# KiCad board poly_kb_wave_right.kicad_pcb (continued)
## Routing (per net, layer and track width the routed paths; a pad name or vN(x,y) marks a point on that pad's centre or on a via; arc(x,y) is an arc through that point) (continued)
  Bottom w0.3: C5_14.1 169.01,96.28 168.1,96.28 167.55,96.83 165.67,96.83 165.67,96.83 J14.2
/K_L7/CS: length 18.6
  In1.Cu w0.3: v3(152.9,95.1) 153.42,95.62 v3(157.58,95.62)
  Bottom w0.254: 152.73,95.1 v3(152.9,95.1) 151.47,93.67 151.47,90.57 U5.6
  Bottom w0.3: J14.8 162.67,95.38 162.41,95.12 162.41,94.35 161.9,93.85 159.36,93.85 v3(157.58,95.62) R1_14.2
/K_L7/LED_DOUT: length 21.6
  Top w0.3: LED14.2 153.53,96.49 151.75,98.27 LED13.4
/K_L7/VCOMH: length 4.7
  Bottom w0.3: J14.13 160.17,96.83 159.07,97.93 158.16,97.93 157.27,98.83 C4_14.1
/K_L8/C1N: length 7
  Bottom w0.3: C6_21.2 168.83,78.69 164.98,78.69 164.17,77.87 J21.5
/K_L8/C1P: length 5.1
  Bottom w0.3: C6_21.1 168.32,78.23 165.17,78.23 164.67,77.74 J21.4
/K_L8/C2N: length 4.3
  Bottom w0.3: J21.3 165.17,76.43 165.21,76.38 166.67,76.38 166.73,76.32 168.46,76.32 C5_21.2
/K_L8/C2P: length 5.2
  Bottom w0.3: C5_21.1 169.01,77.23 168.1,77.23 167.55,77.78 165.67,77.78 165.67,77.78 J21.2
/K_L8/CS: length 34.8
  In2.Cu w0.3: v3(152.57,65.39) 153.58,66.41 164.3,66.41 166.2,68.3 166.2,71.2 v3(162.26,75.15)
  Bottom w0.254: U6.6 151.41,66.55 v3(152.57,65.39)
  Bottom w0.3: J21.8 162.67,76.33 162.41,76.07 162.41,75.3 161.9,74.8 159.36,74.8 157.58,76.57 R1_21.2
/K_L8/VCOMH: length 5.8
  Bottom w0.3: C4_21.1 157.27,79.78 158.16,78.88 159.07,78.88 160.17,77.78 J21.13
/K_L9/C1N: length 7
  Bottom w0.3: C6_28.2 168.83,59.64 164.98,59.64 164.17,58.82 J28.5
/K_L9/C1P: length 5.1
  Bottom w0.3: C6_28.1 168.32,59.18 165.17,59.18 164.67,58.69 J28.4
/K_L9/C2N: length 4.3
  Bottom w0.3: C5_28.2 168.46,57.27 166.73,57.27 166.67,57.33 165.21,57.33 165.17,57.38 J28.3
/K_L9/C2P: length 5.2
  Bottom w0.3: J28.2 165.67,58.73 165.67,58.73 167.55,58.73 168.1,58.18 169.01,58.18 C5_28.1
/K_L9/CS: length 20.1
  In1.Cu w0.3: v3(153,57.41) 153.12,57.52 v3(157.58,57.52)
  Bottom w0.254: U7.6 151.38,53 151.46,53.08 151.46,53.57 151.38,53.65 151.38,55.78 v3(153,57.41)
  Bottom w0.3: R1_28.2 v3(157.58,57.52) 159.36,55.75 161.9,55.75 162.41,56.25 162.41,57.02 162.67,57.28 J28.8
/K_L9/VCOMH: length 4.7
  Bottom w0.3: J28.13 160.17,58.73 159.07,59.83 158.16,59.83 157.27,60.73 C4_28.1
/K_Q/C1N: length 7
  Bottom w0.3: J9.5 64.15,96.92 64.97,97.74 68.81,97.74 C6_9.2
/K_Q/C1P: length 5.1
  Bottom w0.3: J9.4 64.65,96.79 65.15,97.28 68.31,97.28 C6_9.1
/K_Q/C2N: length 4.3
  Bottom w0.3: J9.3 65.15,95.48 65.2,95.43 66.66,95.43 66.71,95.37 68.44,95.37 C5_9.2
/K_Q/C2P: length 5.2
  Bottom w0.3: J9.2 65.65,96.83 65.66,96.83 67.54,96.83 68.09,96.28 69,96.28 C5_9.1
/K_Q/CS: length 112.6
  In2.Cu w0.3: v3(62.3,94.1) 65.9,90.5 65.9,87.5 68.9,84.5 105.4,84.5 107.3,82.6 129,82.6 131.33,80.28 141.32,80.28 142.48,81.44 145.1,81.44 146.93,83.27 146.93,85.61 148.35,87.03 148.35,92.04
  Bottom w0.254: v3(148.35,91.93) 148.21,91.79 U5.1
  Bottom w0.3: J9.8 62.65,95.38 62.4,95.12 62.4,94.35 61.89,93.85 59.35,93.85 57.57,95.62 R1_9.2
/K_Q/LED_DIN: length 16.4
  Top w0.3: 80.49,98.87 72.57,98.87 71.97,98.27 LED9.4
/K_Q/VCOMH: length 4.7
  Bottom w0.3: J9.13 60.15,96.83 59.06,97.93 58.15,97.93 57.25,98.83 C4_9.1
/K_R/C1N: length 7
  Bottom w0.3: C6_12.2 125.96,100.12 122.12,100.12 121.3,99.31 121.3,98.51
/K_R/C1P: length 5.1
  Bottom w0.3: C6_12.1 125.46,99.67 122.3,99.67 121.8,99.17 121.8,98.51
/K_R/C2N: length 4.3
  Bottom w0.3: C5_12.2 125.59,97.75 123.86,97.75 123.81,97.81 122.35,97.81 122.3,97.86 122.3,98.51
/K_R/C2P: length 5.2
  Bottom w0.3: 122.8,98.51 122.8,99.21 122.81,99.21 124.69,99.21 125.24,98.66 126.15,98.66 C5_12.1
/K_R/CS: length 47.9
  In2.Cu w0.3: v3(147.74,87.82) 146.24,87.82 144.11,85.69 127.62,85.69 123,90.3 123,92.8 119.46,96.35 v3(119.46,96.65)
  Bottom w0.254: U5.4 150.16,89.93 149.55,89.32 148.95,89.32 147.74,88.11 v3(147.74,87.82)
  Bottom w0.3: R1_12.2 114.72,98 116.5,96.23 119.04,96.23 119.55,96.73 119.55,97.5 119.8,97.76 119.8,98.51
/K_R/LED_DIN: length 18
  Top w0.3: LED12.4 129.11,100.65 131.43,98.33 135.88,98.33 137.64,96.57 LED13.2 137.64,96.58
/K_R/VCOMH: length 4.7
  Bottom w0.3: 117.3,98.51 117.3,99.21 116.21,100.31 115.3,100.31 114.4,101.21 C4_12.1
/K_S/C1N: length 7
  Bottom w0.3: C6_17.2 87.86,81.07 84.02,81.07 83.2,80.26 J17.5
/K_S/C1P: length 5.1
  Bottom w0.3: C6_17.1 87.36,80.62 84.2,80.62 83.7,80.12 J17.4
/K_S/C2N: length 4.3
  Bottom w0.3: C5_17.2 87.49,78.7 85.76,78.7 85.71,78.76 84.25,78.76 84.2,78.81 J17.3
/K_S/C2P: length 5.2
  Bottom w0.3: J17.2 84.7,80.16 84.71,80.16 86.59,80.16 87.14,79.61 88.05,79.61 C5_17.1
/K_S/CS: length 82.8
  Top w0.3: v3(146.86,65.42) 146.28,66 127.65,66 125.45,68.2 110.23,68.2 107.93,70.5 v3(106.3,70.5)
  In2.Cu w0.3: v3(81.34,77.57) 81.34,76.77 84.1,74 87.1,74 90.6,70.5 v3(106.3,70.5)
  Bottom w0.254: v3(146.86,65.42) 146.88,65.42 148.81,67.35 U6.2
  Bottom w0.3: R1_17.2 76.62,78.95 78.4,77.18 80.94,77.18 81.45,77.68 81.45,78.45 81.7,78.71 J17.8
/K_S/VCOMH: length 4.7
  Bottom w0.3: J17.13 79.2,80.16 78.11,81.26 77.2,81.26 76.3,82.16 C4_17.1
/K_T/C1N: length 7
  Bottom w0.3: C6_13.2 145.01,97.74 141.17,97.74 140.35,96.92 J13.5
/K_T/C1P: length 5.1
  Bottom w0.3: C6_13.1 144.51,97.28 141.35,97.28 140.85,96.79 J13.4
/K_T/C2N: length 4.3
  Bottom w0.3: C5_13.2 144.64,95.37 142.91,95.37 142.86,95.43 141.4,95.43 141.35,95.48 J13.3
/K_T/C2P: length 5.2
  Bottom w0.3: C5_13.1 145.2,96.28 144.29,96.28 143.74,96.83 141.86,96.83 141.85,96.83 J13.2
/K_T/CS: length 24.9
  In1.Cu w0.3: v3(149.11,88.63) 146.82,90.92 141.19,90.92 138.6,93.51 v3(138.6,94.51)
  Bottom w0.254: v3(149.11,88.63) 149.97,88.63 150.81,89.47 U5.5
  Bottom w0.3: R1_13.2 133.99,95.62 135.6,94 138.09,94 v3(138.6,94.51) 138.6,95.12 138.85,95.38 J13.8
/K_T/VCOMH: length 5
  Bottom w0.3: J13.13 136.35,96.83 135.26,97.93 133.88,97.93 133.45,98.35 C4_13.1
/K_V/C1N: length 7
  Bottom w0.3: J26.5 121.3,61.21 122.12,62.02 125.96,62.02 C6_26.2
/K_V/C1P: length 5.1
  Bottom w0.3: J26.4 121.8,61.07 122.3,61.57 125.46,61.57 C6_26.1
/K_V/C2N: length 4.3
  Bottom w0.3: J26.3 122.3,59.76 122.35,59.71 123.81,59.71 123.86,59.65 125.59,59.65 C5_26.2
/K_V/C2P: length 5.2
  Bottom w0.3: C5_26.1 126.15,60.56 125.24,60.56 124.69,61.11 122.81,61.11 122.8,61.11 J26.2
/K_V/CS: length 46.3
  In2.Cu w0.3: v3(119.41,58.5) 119.41,56.9 128.7,47.6 146.77,47.6 v3(147.2,48.04)
  Bottom w0.254: v3(147.2,48.04) 147.68,48.04 150.08,50.43 U7.4
  Bottom w0.3: R1_26.2 114.72,59.9 116.5,58.13 119.04,58.13 119.55,58.63 119.55,59.4 119.8,59.66 J26.8
/K_V/VCOMH: length 4.7
  Bottom w0.3: J26.13 117.3,61.11 116.21,62.21 115.3,62.21 114.4,63.11 C4_26.1
/K_W/C1N: length 7
  Bottom w0.3: C6_10.2 87.86,100.12 84.02,100.12 83.2,99.31 83.2,98.51
/K_W/C1P: length 5.1
  Bottom w0.3: C6_10.1 87.36,99.67 84.2,99.67 83.7,99.17 83.7,98.51
/K_W/C2N: length 4.5
  Bottom w0.3: 84.2,98.51 84.2,97.81 84.27,97.75 85.86,97.75 85.99,97.61 87.36,97.61 C5_10.2
/K_W/C2P: length 5.2
  Bottom w0.3: C5_10.1 88.05,98.66 87.14,98.66 86.59,99.21 84.71,99.21 84.7,99.21 84.7,98.51
/K_W/CS: length 90.1
  In2.Cu w0.3: v3(146.22,84.57) 146.22,83.7 144.51,82 131.81,82 130.7,83.1 109.9,83.1 107.6,85.41 89,85.41 84.7,89.7 84.7,92.91 81.36,96.25 v3(81.36,96.65)
  Bottom w0.254: U5.2 148.86,89.8 146.93,87.87 146.93,85.28 v3(146.22,84.57)
  Bottom w0.3: R1_10.2 76.62,98 78.4,96.23 80.94,96.23 v3(81.36,96.65) 81.45,96.73 81.45,97.5 81.7,97.76 81.7,98.51
/K_W/VCOMH: length 4.7
  Bottom w0.3: C4_10.1 76.3,101.21 77.2,100.31 78.11,100.31 79.2,99.21 79.2,98.51
/K_X/C1N: length 7
  Bottom w0.3: C6_24.2 87.86,62.02 84.02,62.02 83.2,61.21 J24.5
/K_X/C1P: length 5.1
  Bottom w0.3: J24.4 83.7,61.07 84.2,61.57 87.36,61.57 C6_24.1
/K_X/C2N: length 4.3
  Bottom w0.3: J24.3 84.2,59.76 84.25,59.71 85.71,59.71 85.76,59.65 87.49,59.65 C5_24.2
/K_X/C2P: length 5.2
  Bottom w0.3: C5_24.1 88.05,60.56 87.14,60.56 86.59,61.11 84.71,61.11 84.7,61.11 J24.2
/K_X/CS: length 88.1
  In2.Cu w0.3: v3(145.99,45.63) 144.16,43.8 133.12,43.8 130.91,46.02 109.29,46.02 106.68,48.63 89.02,48.63 84.9,52.74 84.9,54.91 v3(81.31,58.5)
  Bottom w0.254: v3(145.99,45.63) 145.99,48.22 147.18,49.41 147.76,49.41 148.78,50.43 U7.2
  Bottom w0.3: R1_24.2 76.62,59.9 78.4,58.13 80.94,58.13 81.45,58.63 81.45,59.4 81.7,59.66 J24.8
/K_X/LED_DOUT: length 16.4
  Top w0.3: LED23.4 71.97,60.17 72.57,60.77 80.49,60.77
/K_X/VCOMH: length 4.7
  Bottom w0.3: J24.13 79.2,61.11 78.11,62.21 77.2,62.21 76.3,63.11 C4_24.1
/K_Z/C1N: length 7
  Bottom w0.3: C6_23.2 68.81,59.64 64.97,59.64 64.15,58.82 J23.5
/K_Z/C1P: length 5.1
  Bottom w0.3: C6_23.1 68.31,59.18 65.15,59.18 64.65,58.69 J23.4
/K_Z/C2N: length 4.3
  Bottom w0.3: J23.3 65.15,57.38 65.2,57.33 66.66,57.33 66.71,57.27 68.44,57.27 C5_23.2
/K_Z/C2P: length 5.2
  Bottom w0.3: C5_23.1 69,58.18 68.09,58.18 67.54,58.73 65.66,58.73 65.65,58.73 J23.2
/K_Z/CS: length 109.8
  In2.Cu w0.254: 146.57,42.33 148.1,43.85 148.1,49.87 v3(147.08,50.89)
  In2.Cu w0.3: 146.57,42.33 133.31,42.33 130.84,44.8 107.8,44.8 105.9,46.7 90.3,46.7 87.4,49.6 70.8,49.6 68,52.41 65,52.41 62.28,55.13 v3(62.28,56.13)
  Bottom w0.254: v3(147.08,50.89) 147.25,51.06 U7.1
  Bottom w0.3: R1_23.2 57.57,57.52 59.35,55.75 61.89,55.75 v3(62.28,56.13) 62.4,56.25 62.4,57.02 62.65,57.28 J23.8
/K_Z/VCOMH: length 4.7
  Bottom w0.3: C4_23.1 57.25,60.73 58.15,59.83 59.06,59.83 60.15,58.73 J23.13
/RpPico/GPIO6: length 15.5
  Top w0.203: R1.1 30.05,108.5 v2(29.78,108.23)
  Bottom w0.203: U10.8 20.81,104.08 21.49,103.41 26.45,103.41 29.78,106.73 v2(29.78,108.23) 29.78,109.83
/RpPico/GPIO7: length 17
  Top w0.203: v2(32,108.25) 31.65,108.6 R2.1
  Bottom w0.203: 32,109.81 v2(32,108.25) 26.7,102.95 21.4,102.95 20.68,103.68 U10.9
/RpPico/GPIO24: length 8
  Bottom w0.229: U10.36 12.33,104.48 11.37,105.44 11.37,106.34 11.7,106.67 11.7,107.99 R8.2
  Bottom w0.3: R15.1 12.8,109.09 R8.2
/RpPico/QSPI_SCLK: length 13
  Bottom w0.229: U10.52 17.75,110.02 22.43,114.7 22.43,116.38 22.68,116.62 23.32,116.62 24.27,115.67 U9.6
/RpPico/QSPI_SD0: length 9.8
  Bottom w0.229: U10.53 18.15,109.85 23,114.7 U9.5
/RpPico/QSPI_SD1: length 12.9
  Bottom w0.229: U10.55 18.95,109.41 20.6,111.06 21.3,111.06 22.43,109.93 22.43,107.53 22.68,107.29 25.39,107.29 25.54,107.44 U9.2
/RpPico/QSPI_SD2: length 12.4
  Bottom w0.229: U10.54 18.55,109.7 21.4,112.56 23.05,112.56 24.27,111.34 U9.3
/RpPico/QSPI_SD3: length 15.7
  Bottom w0.229: U10.51 17.35,110.16 22.05,114.85 22.05,116.54 22.72,117.2 24.8,117.2 25.54,116.47 U9.7
/RpPico/QSPI_SS: length 14.9
  Top w0.229: 26.8,109.03 26.8,109.35 ; 26.8,109.03 R20.2 26.94,109.59 v3(27.42,110.07) ; 26.8,109.03 R21.1
  Bottom w0.229: v3(27.42,110.07) 27.42,109.97 26.81,109.36 U9.1 26.81,107.61 26.11,106.91 22.52,106.91 22.05,107.37 22.05,108.06 21.05,109.05 20.35,109.05 19.35,108.06 U10.56
/RpPico/RUN: length 83.1
  In1.Cu w0.203: v3(25.58,109.85) 25.53,109.85 20.53,104.85 20.5,104.85 20.5,104.5 18.25,102.25 15.66,102.25 v2(15,101.59) ; v3(27.8,120.41) 39.1,120.41 41.8,123.1 47.3,123.1 49.2,125 66.3,125 68.2,126.91 v3(75.5,126.91)
  Bottom w0.203: v2(15,101.59) 14.95,101.54 U10.26 ; v3(25.58,109.85) 25.58,114 26.23,114.66 26.23,118.83 v3(27.8,120.41)
  Bottom w0.254: SW3.2 73.13,126.91 75.88,126.91 SW3.2
/RpPico/SWCLK: length 33.1
  In2.Cu w0.203: v2(15.75,99.85) 15.75,100.45 16.1,100.81 19.35,100.81 20.45,101.91 20.45,106.6 22.85,109 22.85,114.5 29.76,121.41 J40.3
  Bottom w0.203: U10.24 v2(15.75,99.85)
/RpPico/SWD: length 31.8
  In2.Cu w0.203: J40.1 24.68,117.58 19.95,112.85 19.95,102.25 18.86,101.16 15.96,101.16 15.18,100.38 v2(15.18,99.53)
  Bottom w0.203: v2(15.18,99.53) 15.18,100.2 15.35,100.38 U10.25
/RpPico/USB_D+: length 11.4
  Bottom w0.2: R22.1 15.73,112.33 15.73,113.73 ; 15.73,113.73 TP14.1 ; 15.73,113.73 15.73,117.25 15.75,117.28 USB1.6 15.75,117.7 15.81,117.65 16.54,117.65 16.75,117.85 USB1.8
/RpPico/USB_D-: length 11.5
  Bottom w0.2: 15.28,113.73 TP1.1 ; 15.28,113.73 15.28,117.25 15.25,117.28 USB1.5 15.25,119.55 15.34,119.63 16.15,119.63 16.25,119.53 USB1.7 ; 15.28,113.73 15.28,112.33 R23.1
/RpPico/XIN: length 7.1
  Bottom w0.203: Y1.1 17.35,96.5 U10.20
  Bottom w0.5: C3.2 18.1,96.69 Y1.1
/RpPico/XOUT: length 5.2
  Bottom w0.203: 16.33,95.91 16.95,96.53 U10.21
/RpPico/~{USB_BOOT}: length 75.5
  Top w0.254: R21.2 28.59,109.13 28.59,112.28 28.01,112.86 28,112.86 v3(27.3,113.56)
  In1.Cu w0.254: v3(27.3,113.56) 27.3,118.92 28.19,119.81 39.6,119.81 40.7,120.91 51.7,120.91 54.5,123.7 77.6,123.7 v3(81.15,127.25)
  Bottom w0.254: SW2.1 79.79,127.25 84.82,127.25 SW2.1
/SCLK1: length 189.2
  In1.Cu w0.3: v3(23.1,22.34) 22.66,23.54 19.5,23.54 13.34,29.69 10.21,38.29 11.43,40.9 14.77,42.11 15.07,42.76 v3(14.99,43) 14.55,44.19 12.8,45.94 12.8,47.3 14.26,48.76 35.28,48.76 38.74,49.59 39.12,50.2 v3(39.06,50.45) 38.76,51.68 35.72,54.72 35.72,73.02 37.76,75.05 41.31,75.05 41.82,75.56 41.82,77.08 35.72,83.18 35.72,92.07 37.76,94.1 41.31,94.1 41.82,94.61 41.82,96.13 40.3,97.66 40.29,97.66 37.6,100.35 37.6,105.36 35.72,107.24 35.72,111.12 37.76,113.15 41.31,113.15 41.82,113.66
  In2.Cu w0.254: J38.2 32.23,8.93 34.6,11.31 34.6,14.81 33,16.41 31.6,16.41 27.9,20.1 25.34,20.1 v3(23.1,22.34)
  Bottom w0.3: J29.11 15.12,43.45 14.95,43.09 v3(14.99,43) ; v3(41.82,94.86) 41.82,94.96 42.1,95.24 J8.11 ; J30.11 23.23,22.8 23.06,22.44 v3(23.1,22.34) ; v3(39.06,50.45) 39.04,50.54 39.24,50.88 J22.11 ; J15.11 42.1,76.19 41.82,75.91 v3(41.82,75.81) ; JP37.2 46.9,121.7 42.1,116.91 J1.11 42.1,114.29 41.82,114.01 v3(41.82,113.91)
/SCLK2: length 134.6
  In1.Cu w0.3: 54.77,53.97 56.81,56 60.36,56 60.87,56.51 60.87,58.03 54.77,64.13 54.77,73.02 56.81,75.05 60.36,75.05 60.87,75.56 60.87,77.08 54.77,83.18 54.77,92.07 56.81,94.1 60.36,94.1 60.87,94.61 60.87,96.13 59.35,97.65 59.34,97.65 54.77,102.22 54.77,111.12 56.81,113.15 60.36,113.15 60.87,113.66 60.87,113.91 ; 55.03,111.37 54.78,111.12 ; 55.03,73.27 54.78,73.02 ; 55.03,54.22 54.78,53.97 54.78,39.33 52.15,36.7 47.6,36.7 44.3,33.41 44.3,30.3 44.73,29.88 v3(44.73,28.73) ; 55.03,92.32 54.78,92.07
  Bottom w0.254: JP35.2 65.2,120.39 61.15,116.34 J2.11
  Bottom w0.3: J2.11 61.15,114.29 60.87,114.01 v3(60.87,113.91) ; J31.11 44.92,29.17 44.71,28.83 v3(44.73,28.73) ; J16.11 61.15,76.19 60.87,75.91 v3(60.87,75.81) ; J9.11 61.15,95.24 60.87,94.96 v3(60.87,94.86) ; v3(60.87,56.76) 60.87,56.86 61.15,57.14 J23.11
/SCLK3: length 140.8
  In1.Cu w0.3: v3(68.11,32.67) 68,33.94 68,36.9 73.82,42.73 73.82,56.35 75.86,58.38 79.41,58.38 79.92,58.89 79.92,60.41 73.82,66.51 73.82,75.4 75.86,77.43 79.41,77.43 79.92,77.94 79.92,79.46 73.82,85.56 73.82,94.45 75.86,96.48 79.41,96.48 79.92,96.99 79.92,98.51 78.4,100.04 78.39,100.04 73.82,104.6 73.82,113.5 75.86,115.53 79.41,115.53 79.92,116.04
  In2.Cu w0.3: v3(65.2,125.81) 65.7,126.3 v3(73.4,126.3)
  Bottom w0.254: 65.2,124.65 v3(65.2,125.81)
  Bottom w0.3: J17.11 80.2,78.57 79.92,78.29 v3(79.92,78.19) ; v3(68.11,32.67) 68.1,32.77 68.35,33.07 J32.11 ; v3(79.92,116.29) 79.92,116.39 80.2,116.67 J3.11 80.2,119.5 75.6,124.1 74,124.1 73.4,124.7 v3(73.4,126.3) ; v3(79.92,97.24) 79.92,97.34 80.2,97.62 80.2,98.51 ; v3(79.92,59.14) 79.92,59.24 80.2,59.52 J24.11
/SCLK4: length 119.9
  In1.Cu w0.3: 98.97,118.68 98.97,118.41 98.42,117.87 94.85,117.87 92.87,115.88 92.87,106.98 97.43,102.42 97.44,102.42 98.97,100.9 98.97,99.37 98.46,98.86 94.9,98.86 92.87,96.83 92.87,87.94 98.97,81.85 98.97,80.32 98.46,79.81 94.9,79.81 92.87,77.78 92.87,68.89 98.97,62.8 98.97,61.27 98.46,60.76 94.9,60.76 92.87,58.73 92.87,49.85 98.97,43.74 v3(98.97,42.47)
  Bottom w0.3: v3(99.1,118.7) 99.25,118.85 J4.11 99.25,121.66 100.5,122.91 102.6,122.91 104.2,124.5 JP41.2 ; v3(98.97,99.62) 98.97,99.72 99.25,100 J11.11 ; J25.11 99.25,61.9 98.97,61.62 v3(98.97,61.52) ; v3(98.97,80.57) 98.97,80.67 99.25,80.95 J18.11 ; v3(98.97,42.47) 98.97,42.57 99.25,42.85 J33.11
/SCLK5: length 120.8
  In1.Cu w0.3: 118.02,116.29 118.02,116.04 117.51,115.53 113.95,115.53 111.92,113.5 111.92,104.6 116.49,100.04 116.49,100.04 118.02,98.51 118.02,96.99 117.51,96.48 113.95,96.48 111.92,94.45 111.92,85.56 118.02,79.46 118.02,77.94 117.51,77.43 113.95,77.43 111.92,75.4 111.92,66.51 118.02,60.41 118.02,58.89 117.51,58.38 113.95,58.38 111.92,56.35 111.92,47.46 118.02,41.36 v3(118.02,40.09)
  Bottom w0.3: J19.11 118.3,78.57 118.02,78.29 v3(118.02,78.19) ; v3(118.02,116.29) 118.02,116.39 118.3,116.67 J5.11 118.3,119.6 120.4,121.7 121.95,121.7 123,122.75 JP43.2 ; J26.11 118.3,59.52 118.02,59.24 v3(118.02,59.14) ; 118.3,41.36 118.3,40.47 118.02,40.19 v3(118.02,40.09) ; 118.3,98.51 118.3,97.62 118.02,97.34 v3(118.02,97.24)
/SCLK6: length 120.6
  In1.Cu w0.3: v3(137.07,37.71) 137.07,38.82 130.97,44.92 130.97,53.97 133.01,56 136.56,56 137.07,56.51 137.07,58.03 130.97,64.13 130.97,73.02 133.01,75.05 136.56,75.05 137.07,75.56 137.07,77.08 130.97,83.18 130.97,92.07 133.01,94.1 136.56,94.1 137.07,94.61 137.07,96.13 135.55,97.65 135.54,97.65 130.97,102.22 130.97,111.12 133.01,113.15 136.56,113.15 137.07,113.66 137.07,113.91
  Bottom w0.3: v3(137.07,94.86) 137.07,94.96 137.35,95.24 J13.11 ; v3(137.07,75.81) 137.07,75.91 137.35,76.19 J20.11 ; J27.11 137.35,57.14 137.07,56.86 v3(137.07,56.76) ; JP45.2 141.9,119.91 141.4,119.41 139.6,119.41 137.35,117.16 J6.11 137.35,114.29 137.07,114.01 v3(137.07,113.91) ; v3(137.07,37.71) 137.07,37.81 137.35,38.09 J35.11
/SCLK7: length 118.4
  In1.Cu w0.3: v3(160.84,113.86) 160.84,113.61 160.38,113.15 156.82,113.15 154.79,111.12 154.79,102.22 159.35,97.66 159.36,97.66 160.88,96.13 v3(160.88,94.86) 160.88,94.61 160.38,94.1 156.82,94.1 154.79,92.07 154.79,83.18 160.88,77.08 v3(160.88,75.81) 160.88,75.56 160.38,75.05 156.82,75.05 154.79,73.02 154.79,64.13 160.88,58.03 v3(160.88,56.76) 160.88,56.51 160.38,56 156.82,56 154.79,53.97 154.79,40.32 156.12,38.98 v3(156.12,37.71)
  Bottom w0.3: v3(160.88,56.76) 160.88,56.86 161.17,57.14 J28.11 ; JP47.2 165.8,119.31 165.5,119 163.4,119 161.17,116.77 J7.11 161.17,114.29 160.84,113.96 v3(160.84,113.86) ; v3(160.88,94.86) 160.88,94.96 161.17,95.24 J14.11 ; J36.11 156.4,38.09 156.12,37.81 v3(156.12,37.71) ; v3(160.88,75.81) 160.88,75.91 161.17,76.19 J21.11
/SDIN1: length 197.7
  In1.Cu w0.254: J38.3 34.66,14.85 33.4,16.1 30.7,16.1 28.3,13.7 21.2,13.7 18.86,16.05 18.86,22.85
  In1.Cu w0.3: 41.06,113.91 37.5,113.91 34.96,111.37 34.96,106.75 36.84,104.87 36.84,100.09 41.06,95.88 41.06,94.86 37.5,94.86 34.96,92.32 34.96,82.92 41.06,76.83 41.06,75.81 37.5,75.81 34.96,73.27 34.96,54.37 38.08,51.26 v3(38.32,50.27) 35.29,49.54 13.87,49.54 11.95,47.63 11.95,45.67 13.92,43.7 v3(14.27,42.74) 10.93,41.52 9.41,38.27 12.83,28.88 18.86,22.85 22.1,22.85 v3(22.38,22.08)
  Bottom w0.3: v3(41.06,94.86) 41.06,94.96 41.6,95.5 J8.12 ; J29.12 14.56,43.53 14.24,42.83 v3(14.27,42.74) ; v3(41.06,75.81) 41.06,75.91 41.6,76.45 J15.12 ; v3(41.06,113.91) 41.06,114.01 41.6,114.55 J1.12 41.6,116.84 40.9,117.54 JP36.2 ; v3(38.32,50.27) 38.32,50.74 38.66,51.09 38.66,51.18 J22.12 ; J30.12 22.67,22.87 22.35,22.17 v3(22.38,22.08)
/SDIN2: length 132.7
  In1.Cu w0.3: v3(43.99,28.56) 43.99,29.67 43.6,30.06 43.6,33.55 47.4,37.35 51.85,37.35 54.01,39.52 54.01,54.22 ; 54.01,54.22 56.55,56.76 60.11,56.76 60.11,57.78 54.01,63.87 54.01,73.27 56.55,75.81 60.11,75.81 60.11,76.83 54.01,82.92 54.01,92.32 56.55,94.86 60.11,94.86 60.11,95.88 54.06,101.93 54.01,101.93 54.01,111.37 56.55,113.91 60.11,113.91
  Bottom w0.254: JP34.2 59.2,119.7 60.65,118.25 J2.12
  Bottom w0.3: v3(60.11,113.91) 60.11,114.01 60.65,114.55 J2.12 ; v3(43.99,28.56) 43.99,29.03 44.34,29.38 44.34,29.43 J31.12 ; v3(60.11,94.86) 60.11,94.96 60.65,95.5 J9.12 ; v3(60.11,75.81) 60.11,75.91 60.65,76.45 J16.12 ; v3(60.11,56.76) 60.11,56.86 60.65,57.4 J23.12
/SDIN3: length 145.5
  In1.Cu w0.3: 79.16,116.29 75.6,116.29 73.06,113.75 73.06,104.31 73.11,104.31 79.16,98.26 79.16,97.24 75.6,97.24 73.06,94.7 73.06,85.31 79.16,79.21 79.16,78.19 75.6,78.19 73.06,75.65 73.06,66.26 79.16,60.16 79.16,59.14 75.6,59.14 73.06,56.6 73.06,43.11 67.26,37.31 67.26,33.62 v3(67.35,32.6)
  In2.Cu w0.3: v3(61.4,123.12) 62.59,124.31 v3(72.6,124.31)
  Bottom w0.254: 59.2,124.5 59.2,123.5 59.41,123.3 61.23,123.3 v3(61.4,123.12)
  Bottom w0.3: v3(67.35,32.6) 67.34,32.7 67.83,33.29 J32.12 ; J24.12 79.7,59.78 79.16,59.24 v3(79.16,59.14) ; v3(79.16,97.24) 79.16,97.34 79.7,97.88 79.7,98.51 ; v3(79.16,116.29) 79.16,116.39 79.7,116.93 J3.12 79.7,119.27 75.37,123.6 73.3,123.6 v3(72.6,124.31) ; J17.12 79.7,78.83 79.16,78.29 v3(79.16,78.19)
/SDIN4: length 117.6
  In1.Cu w0.3: v3(98.25,118.55) 98.2,118.5 94.48,118.5 92.11,116.14 92.11,106.69 92.15,106.69 98.2,100.64 98.2,99.63 94.65,99.63 92.11,97.09 92.11,87.69 98.2,81.59 98.2,80.58 94.65,80.58 92.11,78.04 92.11,68.64 98.2,62.54 98.2,61.53 94.65,61.53 92.11,58.99 92.11,49.59 98.21,43.49 v3(98.21,42.47)
  Bottom w0.3: v3(98.21,42.47) 98.21,42.57 98.75,43.11 J33.12 ; v3(98.21,80.57) 98.21,80.67 98.75,81.21 J18.12 ; v3(98.21,99.62) 98.21,99.72 98.75,100.26 J11.12 ; v3(98.25,118.55) 98.25,118.71 98.75,119.22 J4.12 98.76,119.95 98.76,122.75 98.2,123.31 JP40.2 ; v3(98.21,61.52) 98.21,61.62 98.75,62.16 J25.12
/SDIN5: length 118.8
  In1.Cu w0.3: 117.26,116.29 113.7,116.29 111.16,113.75 111.16,104.31 111.21,104.31 117.26,98.26 117.26,97.24 113.7,97.24 111.16,94.7 111.16,85.3 117.26,79.21 117.26,78.19 113.7,78.19 111.16,75.65 111.16,66.25 117.26,60.16 117.26,59.14 113.7,59.14 111.16,56.6 111.16,47.21 117.26,41.11 v3(117.26,40.09)
  Bottom w0.3: v3(117.26,78.19) 117.26,78.29 117.8,78.83 J19.12 ; v3(117.26,97.24) 117.26,97.34 117.8,97.88 117.8,98.51 ; v3(117.26,40.09) 117.26,40.19 117.8,40.73 117.8,41.36 ; JP42.2 117,120.31 117.8,119.5 J5.12 117.8,116.93 117.26,116.39 v3(117.26,116.29) ; J26.12 117.8,59.78 117.26,59.24 v3(117.26,59.14)
/SDIN6: length 118.6
  In1.Cu w0.3: 136.31,113.91 132.75,113.91 130.21,111.37 130.21,101.93 130.26,101.93 136.31,95.88 136.31,94.86 132.75,94.86 130.21,92.32 130.21,82.92 136.31,76.83 136.31,75.81 132.75,75.81 130.21,73.27 130.21,63.87 136.31,57.78 136.31,56.76 132.75,56.76 130.21,54.22 130.21,44.83 136.31,38.73 v3(136.31,37.71)
  Bottom w0.3: JP44.2 135.9,119.31 136.85,118.35 J6.12 136.85,114.55 136.31,114.01 v3(136.31,113.91) ; v3(136.31,37.71) 136.31,37.81 136.85,38.35 J35.12 ; v3(136.31,75.81) 136.31,75.91 136.85,76.45 J20.12 ; J13.12 136.85,95.5 136.31,94.96 v3(136.31,94.86) ; J27.12 136.85,57.4 136.31,56.86 v3(136.31,56.76)
/SDIN7: length 116.2
  In1.Cu w0.3: v3(155.36,37.71) 155.36,38.73 154.03,40.06 154.03,54.22 156.57,56.76 v3(160.12,56.76) 160.12,57.78 154.03,63.87 154.03,73.27 156.57,75.81 v3(160.12,75.81) 160.12,76.83 154.03,82.92 154.03,92.32 156.57,94.86 v3(160.12,94.86) 160.12,95.88 154.03,101.97 154.03,111.37 156.46,113.81 160.02,113.81 v3(160.07,113.86)
  Bottom w0.3: J36.12 155.9,38.35 155.36,37.81 v3(155.36,37.71) ; J28.12 160.67,57.4 160.12,56.86 v3(160.12,56.76) ; v3(160.12,94.86) 160.12,94.96 160.67,95.5 J14.12 ; v3(160.07,113.86) 160.07,113.96 160.67,114.55 J7.12 160.67,118.14 159.8,119 JP46.2 ; J21.12 160.67,76.45 160.12,75.91 v3(160.12,75.81)
/ShiftRegisters/Carry1: length 21.5
  In1.Cu w0.3: 150.18,93.03 150.18,87.74 v3(149.51,87.07) ; 150.18,93.03 150.18,101.64 v3(151.65,103.11) ; 150.18,93.03 150.18,92.82
  Bottom w0.254: v3(151.65,103.11) 151.87,103.11 152.76,102.22 U4.9 ; U5.14 v3(149.51,87.07)
/ShiftRegisters/Carry2: length 33.7
  In1.Cu w0.3: v3(148.94,63.91) 149.12,64.09 149.12,68.52 144.8,72.83 144.8,81.51 v3(150.55,87.25)
  Bottom w0.254: U6.14 149.46,63.39 v3(148.94,63.91) ; v3(150.55,87.25) 152.17,87.25 152.76,86.66 U5.9
/ShiftRegisters/Carry3: length 22
  In1.Cu w0.3: v3(151.6,63.91) v3(151.6,48.71)
  Bottom w0.254: v3(151.6,63.91) 152.26,63.91 152.71,63.47 U6.9 ; U7.14 149.43,46.53 v3(151.6,48.71)
/ShiftRegisters/Carry4: length 85.4
  In1.Cu w0.254: v3(92.29,18.91) 93.82,18.91 95.64,20.74 143.12,20.74 150.33,27.95 150.33,37.22 153.33,40.22 153.33,45.83 v3(152.67,46.49)
  Bottom w0.254: v3(92.29,18.91) 92.16,19.05 U8.14 ; U7.9 152.68,46.48 v3(152.67,46.49)
Col1: length 88
  Top w0.203: v3(31,78.78) 31,78.7 26.71,74.41 26.71,67.11 SW1.C ; v3(27.96,102.06) 27.96,96.15 29.9,94.2 29.9,87.41 31.05,86.25 v3(31.05,82.2)
  Bottom w0.203: v3(31,78.78) 31.05,78.83 v3(31.05,82.2) ; v3(27.96,102.06) 20.22,102.06 U10.13
  Bottom w0.3: D1_29.1 5.1,43.39 5.1,45.91 10.1,50.91 17.95,50.91 23.7,56.66 D12.1 23.7,64.11 SW1.C
Col2: length 126.1
  Top w0.254: v3(26,31.3) v3(29.8,35.1)
  In1.Cu w0.3: v3(34.15,76.3) 34.15,92.85 ; 34.15,92.85 v3(34.5,93.2) ; 34.15,92.85 34.15,94.7 28.75,100.1 v3(28.75,101.31)
  Bottom w0.203: U10.14 27.28,101.68 27.7,101.25 28.7,101.25 v3(28.75,101.31)
  Bottom w0.254: D1_30.1 15.46,19.24 13.6,21.1 13.6,25.7 16,28.1 22.8,28.1 v3(26,31.3) ; D1_22.1 32.35,37.65 v3(29.8,35.1)
  Bottom w0.3: D1_8.1 34.75,93.45 v3(34.5,93.2) ; D1_22.1 29.8,50.64 29.8,54.08 34.72,58.99 34.72,75.05 D1_15.1 34.75,75.71 v3(34.15,76.3) ; v3(28.75,101.31) 28.75,103.31 34.72,109.27 34.72,113.15 D1_1.1
Col3: length 154.2
  In1.Cu w0.254: v3(53.6,97.41) 53.3,97.7 v3(53.3,111.81)
  In1.Cu w0.3: v3(52.6,39.3) v3(52.6,54.2)
  In2.Cu w0.203: v3(31.95,97.81) 34.25,97.81 36.05,99.6 52.7,99.6 v3(53.3,100.2)
  Bottom w0.203: v3(31.95,97.81) 30.95,97.81 30.05,98.7 28.65,98.7 26.75,100.6 19.35,100.6 U10.15
  Bottom w0.254: v3(53.3,111.81) 53.8,112.3 D1_2.1
  Bottom w0.3: 37.94,26.57 37.94,22.27 40.4,19.81 49.75,19.81 51.7,21.75 53.75,21.75 57.1,25.1 57.1,34.7 52.6,39.2 v3(52.6,39.3) ; v3(53.6,97.41) 53.77,97.24 53.77,83.47 53.55,83.25 53.55,78.06 53.77,77.84 53.77,63.97 53.55,63.75 53.55,58.48 53.8,58.23 D1_23.1 52.6,54.84 v3(52.6,54.2)
